# Altium PCB SectionD_v1.0.PcbDoc (continued)
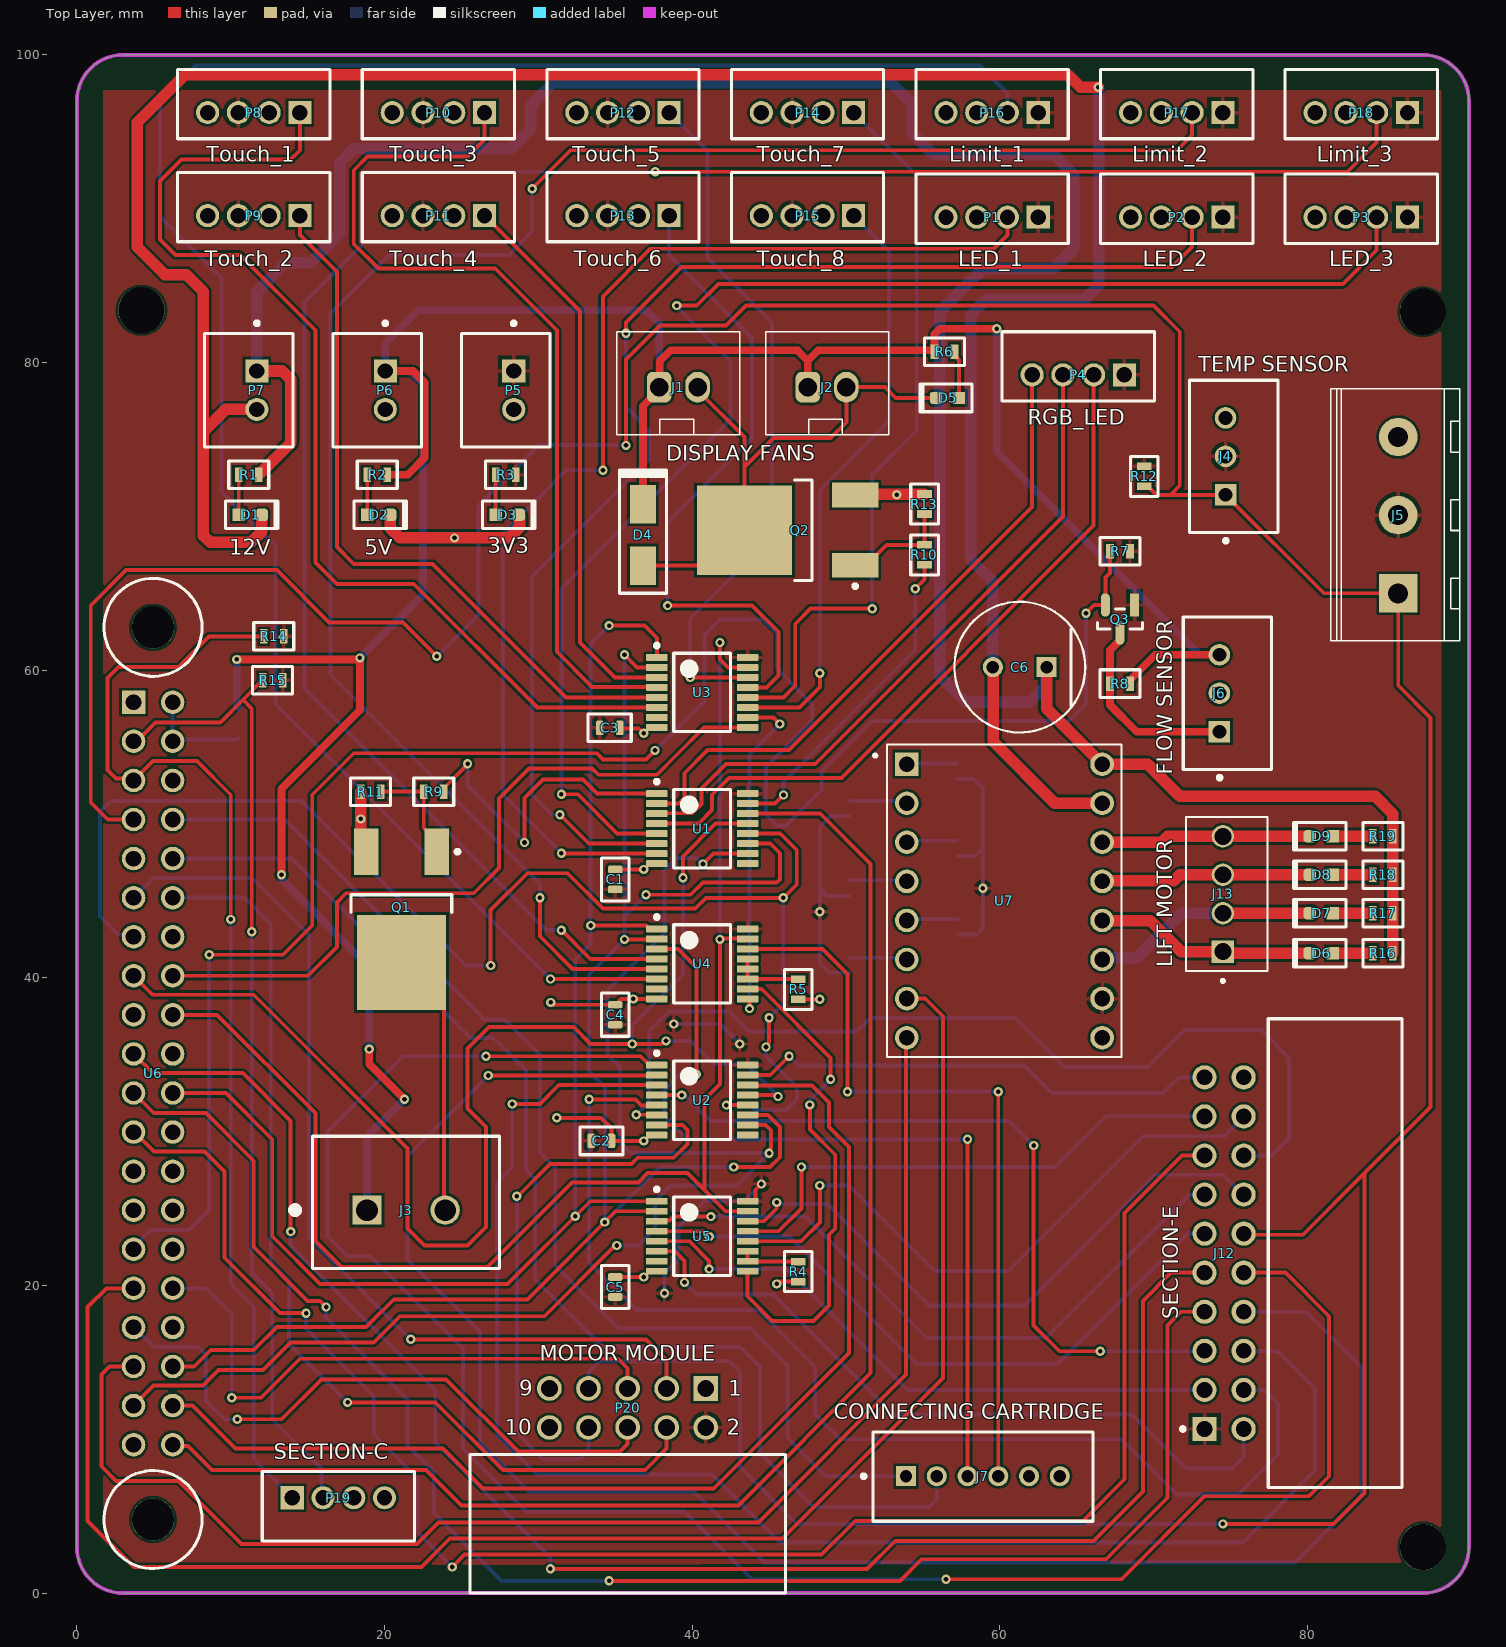
[diagram p0: Top Layer view]
## Part data (continued)
R7 R8: library part CRG0603F10K/10, "RES 10.0K OHM 1/10W 1% 0603", Case Code (Imperial)=0603, Manufacturer="TE Connectivity", Max Operating Temperature=125°C, Max Power Dissipation=100mW, Min Operating Temperature=-55°C, Number of Resistors=1, Package Quantity=10000, Resistance=10kR, Resistor Type="Thick Film", Supplier Part Number 1=A121523CT-ND, Temperature Coefficient=100ppm/°C, Tolerance=1%, Voltage Rating=50V, Case/Package=0603, Category="Chip SMD Resistors", ComponentLink1Description=https://datasheet.ciiva.com/2530/eng-cd-1622829-ba-2530062.pdf?src-supplier=Digi-Key, ComponentLink1URL=https://datasheet.ciiva.com/2530/eng-cd-1622829-ba-2530062.pdf?src-supplier=Digi-Key, Depth=0.8mm, ELV=Compliant, Height=0.022inch, Length=1.6mm, Manufacturer Part Number=CRG0603F10K/10, Military Standard=Not, Mount="Surface Mount", Number of Terminations=2, Packaging="Tape and Reel", Power Rating=100mW, Pricing 1="1=0.10000, 10=0.03100, 100=0.01270, 1000=0.00570, 2500=0.00494, 5000=0.00409 (USD)", Radiation Hardening=No, RoHS=Yes, Stock 1=172089, Supplier 1=Digi-Key, Termination=Solder, Weight=7.1E-05oz, Width=0.8mm
U1 U2: library part CMP-0780-00192-3, "8-Bit Shift Registers With 3-State Output Registers, PW0016A, LARGE T&R", F @ Nom Voltage(Max)(Mhz)=28, Generic Part Number=SN74HC595, ICC @ Nom Voltage(Max)(mA)=0.08, Manufacturer="Texas Instruments", Operating Temperature Range(C)="-40 to 85", Rating=Military, tpd @ Nom Voltage(Max)(ns)=34, Voltage(Nom)(V)=6, 3-State Output=Yes, Bits=8, Code_JEDEC=MO-153, DatasheetVersion=SCLS041H, Input Type=CMOS, Output Drive (IOL/IOH)(Max)(mA)=7.8/-7.8, Output Type=CMOS, PackageReference=PW0016A, PackageVersion=http://www.ti.com/lit/ml/mpds361/mpds361.pdf, Technology Family=HC, VCC(Max)(V)=6, VCC(Min)(V)=2
U3 U4 U5: library part CMP-0780-00188-3, "8-Bit Parallel-Load Shift Registers, PW0016A, LARGE T&R", F @ Nom Voltage(Max)(Mhz)=28, Generic Part Number=SN74HC165, ICC @ Nom Voltage(Max)(mA)=0.08, Manufacturer="Texas Instruments", Operating Temperature Range(C)="-40 to 125", Rating=Catalog, tpd @ Nom Voltage(Max)(ns)=38, Voltage(Nom)(V)=6, 3-State Output=No, Bits=4, Code_JEDEC=MO-153, DatasheetVersion=SCLS116G, Input Type=CMOS, Output Drive (IOL/IOH)(Max)(mA)=5.2/-5.2, Output Type=CMOS, PackageReference=PW0016A, PackageVersion=http://www.ti.com/lit/ml/mpds361/mpds361.pdf, Technology Family=HC, VCC(Max)(V)=6, VCC(Min)(V)=2
U6: "BCM2837B0 Raspberry Pi 3 Model B+ - ARMÂ® CortexÂ®-A53, VideoCore MPU Embedded Evaluation Board", Package="Raspberry Pi", Check_prices=https://www.snapeda.com/parts/RASPBERRY%20PI%203%20MODEL%20B+/Raspberry%20Pi/view-part/4299836/?ref=eda, Digi-Key_Part_Number=1690-1025-ND, MF="Raspberry Pi", MP="RASPBERRY PI 3 MODEL B+", SnapEDA_Link=https://www.snapeda.com/parts/RASPBERRY%20PI%203%20MODEL%20B+/Raspberry%20Pi/view-part/4299836/?ref=snap
U7: library part A4988_STEPPER_MOTOR_DRIVER_CARRIER, "Stepper Motor Driver", Package=None, Availability=Unavailable, MF=Pololu, MP="A4988 STEPPER MOTOR DRIVER CARRIER", Price=None, SnapEDA_Link=https://www.snapeda.com/parts/A4988%20STEPPER%20MOTOR%20DRIVER%20CARRIER/Pololu/view-part/1499394/?ref=snap

## Free pads (board coordinates)
  round 3 hole 3 unplated: ""(4.2,83.4) ""(87.5,3) ""(87.5,83.3)

## Via types
v1: diameter 0.6, hole 0.3, Top Layer to Bottom Layer, tented both sides, 110 vias

## Nets (pads, with @x,y where several pads share a name; then routed paths per layer and width w, separated by ;. In a path a pad name is that pad's centre, name@x,y a point inside that pad or via, vN(x,y) a via of type N, cw(c..) or ccw(c..) an arc to the next point about the centre after c; other vN are vias at no path point)
1A: D6.1 J13.1 U7.12 | length 14.4
  Top Layer w0.254: U7.12 U7.12@66.656,43.724 ; J13.1 J13.1@74.6,41.6
  Top Layer w0.75: U7.12@66.656,43.724 69.776,43.724 71.8,41.7 J13.1 ; J13.1@74.6,41.6 D6.1
1B: D7.1 J13.2 U7.11 | length 14.7
  Top Layer w0.75: J13.2 D7.1
  Bottom Layer w0.254: U7.11 U7.11@66.756,41.296
  Bottom Layer w0.75: U7.11@66.756,41.296 68.896,41.296 71.8,44.2 J13.2
2A: D8.1 J13.3 U7.13 | length 13.7
  Top Layer w0.75: U7.13@66.65,46.3 71.3,46.3 71.7,46.7 J13.3 D8.1
2B: D9.1 J13.4 U7.14 | length 13.7
  Top Layer w0.75: U7.14@66.65,48.8 70.5,48.8 70.9,49.2 J13.4 D9.1
+3V3: C1.2 C2.2 C3.2 C4.2 C5.2 J4.2 J5.2 J9.1 J10.1 J11.1 J12.1 J14.1 J15.1 J16.1 P1.1 P2.1 P3.1 P4.1 P5.1 P8.3 P9.3 P10.3 P11.3 P12.3 P13.3 P14.3 P15.3 P16.1 P17.1 P18.1 P20.2 Q3.1 R3.2 R7.2 R12.1 R14.2 R15.2 U1.16 U2.16 U3.16 U4.16 U5.16 U7.10 | length 47.9
  Top Layer w0.254: U5.16 44.026,25.475 44.124,25.573 44.124,26.224 v1(44.5,26.6)
  Bottom Layer w0.254: v1(38.2,19.5) 38.2,20.8 39.1,21.7 39.1,23.8 40.8,25.5 43.4,25.5 v1(44.5,26.6) ; v1(38.8,37) 41.8,37 v1(43.1,35.7) ; J11.1 48.9,40.327 48.3,40.927 48.3,45.827 ; J16.1 48.8,45.327 48.3,45.827 ; J14.1 49,50.527 48.3,49.827 48.3,45.827 ; J15.1 58.4,47.927 58.9,48.427 ; J9.1 58.3,52.927 58.9,52.327 58.9,48.427 ; J10.1 58.5,42.827 58.9,43.227 58.9,48.427
  other v1: 48.3,44.3 58.9,45.827
+5V: D4.2 J1.1 J2.1 J3.1 J6.3 J8.3 P6.1 R2.2 R6.2 R8.2 | length 181.7
  Top Layer w0.5: v1(10.4,60.7) 18.3,60.7 v1(18.4,60.8) 18.4,57.4 13.3,52.3 v1(13.3,46.7) ; v1(19,35.365) 19,34.4 v1(21.3,32.1) ; P6.1 21.85,79.45 22.6,78.7 22.6,73.8 21.5,72.7 R2.2@20.2,72.7 ; D4.2 36.8,77.15 37.85,78.2 J1.1 37.9,78.45 37.9,80.1 38.6,80.8 46.841,80.8 47.521,80.121 ; J2.1 47.521,80.121 ; v1(59.8,82.2) 56.1,82.2 55.75,81.85 R6.2 55.65,80.8 48.2,80.8 47.521,80.121 ; R8.2 68.462,59.351 68.585,59.474 70.111,61 J6.3
  Bottom Layer w0.5: v1(10.4,60.7) 10.4,57.7 J8.3 ; v1(13.3,46.7) 13.3,46.4 19,40.7 v1(19,35.365) ; v1(18.4,60.8) 22.5,64.9 22.5,78.6 21.65,79.45 P6.1 20.05,81.25 22.2,83.4 37,83.4 37.85,82.55 J1.1 ; J3.1 18.86,29.66 v1(21.3,32.1) ; v1(59.8,82.2) 59.8,74.2 73,61 J6.3
+12V: C6.1 P7.1 R1.2 R16.2 R17.2 R18.2 R19.2 U7.16 | length 165.6
  Top Layer w0.75: P7.1 13.35,79.45 13.9,78.9 13.9,74.775 R1.2@11.962,72.837 ; C6.1 63.05,57.49 U7.16 69.61,53.89 71.7,51.8 84.4,51.8 85.55,50.65 R19.2 R18.2 R17.2 R16.2
  Bottom Layer w0.75: P7.1 11.7,84.6 13.6,86.5 15.2,86.5 17.1,88.4 17.1,93 18,93.9 28.2,93.9 29.5,95.2 29.5,96.7 31,98.2 52.9,98.2 54.3,96.8 54.3,94.9 55.7,93.5 63.5,93.5 64.8,92.2 64.8,87.4 63.5,86.1 58.9,86.1 56.1,83.3 56.1,59.6 57.8,57.9 61.9,57.9 63,59 63,60.15 C6.1
BLUE: J12.16 U2.6 | length 61.8
  Top Layer w0.254: v1(36.365,31.1) 37.675,31.1 U2.6
  Bottom Layer w0.254: v1(36.365,31.1) 37.2,31.935 37.2,36.5 38.5,37.8 42.4,37.8 43.7,36.5 50.7,36.5 51.6,37.4 61,37.4 64.2,34.2 69.6,34.2 72,36.6 77,36.6 78.8,34.8 78.8,29.6 77.65,28.45 J12.16
BUZZER: R9.1 U1.1 | length 21.5
  Top Layer w0.254: R9.1 23.85,52.325 25.4,53.875 v1(25.4,53.919) ; v1(29.1,48.8) 29.1,51.7 30.3,52.9 32.9,52.9 33.825,51.975 U1.1
  Bottom Layer w0.254: v1(25.4,53.919) 25.4,52.5 v1(29.1,48.8)
CLK_EN: U3.15 U4.15 U5.15 U6.18 | length 93.5
  Top Layer w0.254: U6.18 9.108,37.592 15.5,31.2 15.5,22.9 17.2,21.2 26.7,21.2 32.2,26.7 36.5,26.7 37.1,27.3 39.7,27.3 40.76,26.24 ; v1(41.8,61.8) 41.8,60.7 42.325,60.175 U3.15 ; U5.15 42.175,24.825 40.76,26.24 ; U4.15 43.556,42.569 41.963,42.569 41.894,42.5 v1(41.8,42.5) 41.8,33.1 40.8,32.1 40.8,26.28 40.76,26.24
  Bottom Layer w0.254: v1(41.8,42.5) v1(41.8,61.8)
CLOCK: U1.11 U2.11 U3.2 U4.2 U5.2 U6.36 | length 111.1
  Top Layer w0.254: U6.36 7.632,14.732 8.7,15.8 11.5,15.8 13,17.3 18.8,17.3 20.6,19.1 29.3,19.1 35.025,24.825 U5.2 ; v1(35.6,42.5) 37.675,42.5 U4.2 ; v1(35.6,61) 36.425,60.175 U3.2 ; v1(37,45.4) 39.9,45.4 40.7,46.2 45.5,46.2 45.7,46.4 45.7,48.1 45.075,48.725 U1.11 ; v1(42.7,27.7) 45.063,27.7 45.7,28.337 45.7,30.3 44.925,31.075 U2.11
  Bottom Layer w0.254: v1(35.6,61) 35.6,44 ; v1(37,45.4) 35.6,44 ; v1(42.7,27.7) 37.9,27.7 v1(34.321,24.121) 34.321,32.868 ccw(c34.287,32.865) 34.311,32.889 33.3,33.9 33.3,40.2 v1(35.6,42.5) 35.6,44
"CONN M1": J7.1 U6.8 | length 75.6
  Bottom Layer w0.254: U6.8 13.508,50.292 26.5,37.3 27.8,37.3 30.1,35 30.1,28.65 31.1,27.65 31.1,21.3 35.2,17.2 43.8,17.2 46.2,14.8 46.2,10.1 48.7,7.6 J7.1
"CONN M2": J7.2 U6.10 | length 79.7
  Bottom Layer w0.254: U6.10 13.948,47.752 25.6,36.1 27.1,36.1 29.2,34 29.2,27.5 29.8,26.9 29.8,20.4 34.2,16 43.1,16 44.4,14.7 44.4,9.1 47.9,5.6 55.4,5.6 55.9,6.1 J7.2
"CONN SW1": J7.3 U4.3 | length 56.4
  Top Layer w0.254: U4.3 39.075,41.875 40.269,40.681 v1(40.269,33.735) ; J7.3 v1(57.9,29.5)
  Bottom Layer w0.254: v1(40.269,33.735) 39.234,33.735 38.2,32.701 38.2,31 39.7,29.5 v1(57.9,29.5)
"CONN SW2": J7.4 U4.14 | length 49.7
  Top Layer w0.254: U4.14 48.476,41.875 50.1,40.251 v1(50.1,32.6) ; J7.4 60,7.7 59.9,7.8 v1(59.9,32.6)
  Bottom Layer w0.254: v1(50.1,32.6) v1(59.9,32.6)
CONTAINER: J12.3 U5.5 | length 39.9
  Top Layer w0.254: U5.5 39.825,22.875 41.1,21.6 v1(41.1,21.065)
  Bottom Layer w0.254: v1(41.1,21.065) 46.135,21.065 53.99,13.21 J12.3
D_OUTPUT: U1.14 U6.40 | length 93
  Top Layer w0.254: U6.40 6.303,9.572 7.217,9.572 8.789,8 22.7,8 25,5.7 43,5.7 51.6,14.3 51.6,47.4 48.325,50.675 U1.14
DIRECTION: U6.35 U7.8 | length 89.1
  Top Layer w0.254: U6.35 2.132,14.732 1.6,14.2 1.6,8.249 2.549,7.3 6.6,7.3 10.7,3.2 22.1,3.2 23.5,4.6 44.3,4.6 53.9,14.2 U7.8@53.9,36.11
DISP_FAN: R10.1 U1.15 | length 21.3
  Top Layer w0.254: U1.15 45.376,51.325 v1(45.938,51.887) ; v1(54.5,65.3) 55.1,65.9 R10.1
  Bottom Layer w0.254: v1(45.938,51.887) 45.938,52.738 54.5,61.3 v1(54.5,65.3)
DROP: J12.7 U6.21 | length 103.6
  Top Layer w0.254: U6.21 4.995,31.2 8.4,31.2 11.5,28.1 11.5,22.5 15,19 15.8,19 v1(16.2,18.6) ; v1(34.6,0.8) 53.5,0.8 54.9,2.2 66.9,2.2 70.9,6.2 70.9,17.4 71.79,18.29 J12.7
  Bottom Layer w0.254: v1(16.2,18.6) 16.2,17.9 21.5,12.6 21.5,9.6 23.2,7.9 23.2,5.2 27.6,0.8 v1(34.6,0.8)
E_OUTPUT: U2.14 U6.38 | length 72.5
  Top Layer w0.254: U6.38 7.508,12.192 10.3,9.4 23.8,9.4 26.4,6.8 41.4,6.8 50.2,15.6 50.2,29 48.9,30.3 48.9,31.9 47.8,33 43.625,33 U2.14
ENABLE: J12.15 U6.23 | length 109.9
  Top Layer w0.254: U6.23 3.728,29.972 5,28.7 8.3,28.7 9.6,27.4 9.6,21.8 13.2,18.2 v1(14.9,18.2) ; v1(24.4,1.7) 25.2,2.5 48.4,2.5 50.6,4.7 65.4,4.7 68.1,7.4 68.1,24.7 71.85,28.45 J12.15
  Bottom Layer w0.254: v1(14.9,18.2) 14.9,17.2 19.3,12.8 19.3,10.3 22.1,7.5 22.1,4 v1(24.4,1.7)
EXTRA_1: J12.17 U5.13 | length 34.4
  Top Layer w0.254: U5.13 45.625,23.525 47.1,25 v1(47.1,27.7)
  Bottom Layer w0.254: v1(47.1,27.7) 63.6,27.7 66.9,31 73.3,31 J12.17
EXTRA_2: J12.18 U5.12 | length 41.6
  Top Layer w0.254: U5.12 47.075,22.875 48.3,24.1 v1(48.3,26.5)
  Bottom Layer w0.254: v1(48.3,26.5) 50.2,26.5 55.751,20.949 60.549,20.949 69.3,29.7 74.6,29.7 75.85,30.95 J12.18
FLOW: Q3.2 R7.1 U6.29 | length 126.8
  Top Layer w0.254: v1(8.6,41.5) 13.4,41.5 15.3,43.4 15.3,51.9 18,54.6 33.8,54.6 34.2,54.2 37,54.2 v1(37.586,54.786) ; v1(65.6,63.7) 66.136,64.236 Q3.2 66.862,66.03 67.162,66.33 R7.1
  Bottom Layer w0.254: U6.29 3.683,22.483 4.8,23.6 7.3,23.6 8.6,24.9 v1(8.6,41.5) ; v1(37.586,54.786) 40.8,58 40.8,62.3 41.8,63.3 44.6,63.3 45.5,62.4 45.5,60.1 47.8,57.8 47.8,56.7 44.8,53.7 44.8,50.6 45.5,49.9 46.1,49.9 48.4,52.2 48.4,53.4 51.7,56.7 64.5,56.7 65.6,57.8 v1(65.6,63.7)
GND: C1.1 C2.1 C3.1 C4.1 C5.1 D2.1 D3.1 J4.3 J5.3 J6.2 J7.6 J9.3 J10.3 J11.3 J12.20 J14.3 J15.3 J16.3 P1.4 P2.4 P3.4 P5.2 P6.2 P8.4 P9.4 P10.4 P11.4 P12.4 P13.4 P14.4 P15.4 P16.4 P17.4 P18.4 P19.4 P20.1 Q1.3 Q2.3 R4.1 R5.1 R11.2 R13.2 U1.8 U2.8 U3.8 U4.8 U5.8 U6.6 U6.9 U6.14 U6.20 U6.25 U6.30 U6.34 U6.39 U7.9 | length 45.4
  Top Layer w0.254: Q1.3@18.45,48.56 Q1.3 ; D3.1 D3.1@28.8,70.025 ; v1(30.8,38.4) 30.95,38.25 C4.1 35.377,38.627 v1(36.173,38.627) 37.653,38.627 37.676,38.649 U4.8 ; v1(31.2,30.9) 34.081,30.9 34.75,30.231 C2.1 v1(36.85,29.4) 37.225,29.775 U2.8 ; C5.1 v1(36.85,20.55) 37.225,20.925 U5.8 ; C1.1 v1(36.85,47.05) 37.225,47.425 U1.8 ; C3.1 35.362,56.25 35.412,56.2 36.528,56.2 36.828,55.9 v1(36.85,55.9) 37.225,56.275 U3.8 ; v1(45.5,20.1) 45.65,20.25 R4.1 ; R5.1 v1(48.3,38.6) ; Q2.3 Q2.3@50.66,71.45
  Top Layer w0.75: Q1.3@18.45,48.56 v1(18.45,50.33) R11.2 ; D2.1 20.375,69.225 21,68.6 v1(24.55,68.6) 28.1,68.6 28.8,69.3 D3.1@28.8,70.025 ; Q2.3@50.66,71.45 R13.2
  other v1: 53.3,71.4
GREEN: J12.5 U2.4 | length 49.4
  Top Layer w0.254: U2.4 v1(39.325,32.375) ; v1(62.2,29.1) 62.2,17.4 63.877,15.723 v1(66.523,15.723)
  Bottom Layer w0.254: v1(39.325,32.375) 39.525,32.375 41.2,30.7 60.6,30.7 v1(62.2,29.1) ; v1(66.523,15.723) 66.525,15.725 73.285,15.725 J12.5
LATCH_IN: U3.1 U4.1 U5.1 U6.22 | length 90.9
  Top Layer w0.254: U6.22 9.688,32.512 12.7,29.5 12.7,23.2 15.8,20.1 28,20.1 33.375,25.475 U5.1 ; v1(33.4,43.4) 37,43.4 37.225,43.175 U4.1 ; v1(34.6,62.9) 36.9,62.9 37.7,62.1 U3.1
  Bottom Layer w0.254: v1(32.4,24.5) 32.4,41.2 33.4,42.2 v1(33.4,43.4) 33.4,61.7 v1(34.6,62.9)
LATCH_OUT: U1.12 U2.12 U6.13 | length 92.4
  Top Layer w0.254: v1(26.9,40.8) 26.9,44.4 29.3,46.8 31.9,46.8 34.2,44.5 40.2,44.5 40.9,45.2 v1(45.923,45.2) 46.8,46.077 46.8,48.3 45.725,49.375 U1.12 ; v1(42.225,31.725) U2.12 ; v1(44.8,35.5) 44.8,35.594 45,35.794 v1(45,37.4)
  Bottom Layer w0.254: U6.13 3.556,42.799 2.701,42.799 1.5,44 1.5,50.8 2.2,51.5 14.6,51.5 25.3,40.8 v1(26.9,40.8) ; v1(42.225,31.725) 43.775,31.725 44.1,31.4 46.1,31.4 46.8,32.1 46.8,32.9 44.8,34.9 v1(44.8,35.5) ; v1(45,37.4) 45.923,38.323 v1(45.923,45.2)
LED_0: P1.2 U1.7 | length 77.2
  Top Layer w0.254: v1(31.5,48.1) 31.512,48.088 37.687,48.088 U1.7 ; v1(34.2,73) 34.2,84.3 37.3,87.4 59.619,87.4 60.5,88.281 P1.2
  Bottom Layer w0.254: v1(31.5,48.1) 27.7,51.9 27.7,68.9 31.8,73 v1(34.2,73)
LED_1: P2.2 U1.6 | length 84.7
  Top Layer w0.254: v1(31.4,50.6) 33.275,48.725 U1.6 ; v1(35.7,81.9) 35.7,82.6 39.3,86.2 71.2,86.2 72.5,87.5 P2.2
  Bottom Layer w0.254: v1(31.4,50.6) 30.9,50.6 29.6,51.9 29.6,66.1 37.2,73.7 37.2,75.6 35.7,77.1 v1(35.7,81.9)
LED_2: P3.2 U1.5 | length 94.2
  Top Layer w0.254: v1(31.5,51.935) 32.565,51.935 35.125,49.375 U1.5 ; v1(39,83.7) 40.3,83.7 41.7,85.1 82.3,85.1 84.5,87.3 P3.2
  Bottom Layer w0.254: v1(31.5,51.935) 31.5,65.3 42.5,76.3 42.5,80.1 39,83.6 v1(39,83.7)
LED_BLUE: P4.3 U1.3 | length 44.2
  Top Layer w0.254: U1.3 37.725,50.7 40,50.7 40.6,51.3 40.6,52.3 42.2,53.9 48,53.9 64.1,70 P4.3
LED_GREEN: P4.4 U1.2 | length 41.9
  Top Layer w0.254: U1.2 39.125,51.325 39.5,51.7 39.5,53.3 41,54.8 46.3,54.8 62.1,70.6 P4.4
LED_RED: P4.2 U1.4 | length 46.8
  Top Layer w0.254: U1.4 40.425,50.025 41.3,50.9 41.3,51.9 42.4,53 49.7,53 66.1,69.4 P4.2
LID: J12.2 U5.6 | length 47
  Top Layer w0.254: U5.6 38.875,22.225 39.5,21.6 v1(39.5,20.2)
  Bottom Layer w0.254: v1(39.5,20.2) 40.3,19.4 45.3,19.4 53.1,11.6 68.6,11.6 72.1,8.1 75.1,8.1 75.85,8.85 J12.2
LIFT: J12.9 U6.19 | length 105.9
  Top Layer w0.254: U6.19 4.935,33.8 10.8,33.8 13.9,30.7 v1(13.9,23.5) ; v1(30.784,1.578) 51.378,1.578 53.2,3.4 66.1,3.4 69.3,6.6 69.3,19 71.13,20.83 J12.9
  Bottom Layer w0.254: v1(13.9,23.5) 13.9,22.6 23.3,13.2 23.3,9.8 30.784,2.316 v1(30.784,1.578)
LIMIT_0: P16.2 U4.6 | length 132.6
  Top Layer w0.254: v1(30.79,39.925) 37.65,39.925 37.675,39.9 U4.6
  Bottom Layer w0.254: v1(30.79,39.925) 12.9,57.815 12.9,68.1 9.4,71.6 9.4,85.5 5.4,89.5 5.4,97 7.7,99.3 58.7,99.3 60.5,97.5 P16.2
LIMIT_1: P17.2 U4.5 | length 118.5
  Top Layer w0.254: v1(29.6,91.3) 32.1,93.8 71.523,93.8 72.5,94.777 P17.2 ; v1(30.1,45.2) 30.1,42.7 32.225,40.575 U4.5
  Bottom Layer w0.254: v1(29.6,91.3) 29.6,88.5 28.1,87 20.3,87 16.5,83.2 16.5,59.7 30.1,46.1 v1(30.1,45.2)
LIMIT_2: P18.2 U4.4 | length 133.9
  Top Layer w0.254: v1(31.5,43.1) 33.375,41.225 U4.4 ; v1(37.6,92.4) 82.6,92.4 84.5,94.3 P18.2
  Bottom Layer w0.254: v1(31.5,43.1) 30.5,43.1 14.8,58.8 14.8,83.9 18.5,87.6 18.5,92.1 18.8,92.4 v1(37.6,92.4)
MAIN_DIR: P20.3 U6.11 | length 61.6
  Top Layer w0.254: v1(21.7,16.5) 37,16.5 38.34,15.16 P20.3
  Bottom Layer w0.254: U6.11 4.971,46.5 11.4,46.5 15.1,42.8 15.1,23.1 v1(21.7,16.5)
MAIN_PWM: P20.4 U6.12 | length 64.8
  Top Layer w0.254: v1(17.6,12.4) 23.3,12.4 27.7,8 36.951,8 38.34,9.389 P20.4
  Bottom Layer w0.254: U6.12 10.888,45.212 12.6,43.5 12.6,21.5 13.8,20.3 13.8,16.2 v1(17.6,12.4) ; P20.4@38.3,10.725 P20.4
MOT_FAN: P20.8 U2.7 | length 38
  Top Layer w0.254: v1(28.6,25.8) 28.662,25.8 30.762,27.9 36.051,27.9 36.451,28.3 38.8,28.3 39.7,29.2 39.7,30.1 39.375,30.425 U2.7
  Bottom Layer w0.254: v1(28.6,25.8) 28.6,10.4 30.3,8.7 32.7,8.7 33.26,9.26 P20.8
NetD1_2: D1.2 R1.1 | length 2.6
  Top Layer w0.254: D1.2 R1.1
NetD2_2: D2.2 R2.1 | length 2.6
  Top Layer w0.254: D2.2 18.875,72.675 R2.1@18.9,72.7
NetD3_2: D3.2 R3.1 | length 2.6
  Top Layer w0.254: D3.2 R3.1
NetD4_1: D4.1 D5.1 J1.2 J2.2 Q2.4 | length 34.3
  Top Layer w0.254: D4.1 41.1,66.8 Q2.4 43.4,73.2 ; J1.2 40.35,78.2 43.4,75.15 43.4,73.2 ; D5.1 53.234,77.7 52.534,78.4 J2.2 50.021,76.121 49,75.1 45.3,75.1 43.4,73.2
NetD5_2: D5.2 R6.1 | length 3.1
  Top Layer w0.254: R6.1 57.05,80.475 57.35,80.175 D5.2
NetD6_2: D6.2 R16.1 | length 2.3
  Top Layer w0.75: D6.2 84,41.6
NetD7_2: D7.2 R17.1 | length 2.3
  Top Layer w0.75: D7.2 84,44.2
NetD8_2: D8.2 R18.1 | length 2.3
  Top Layer w0.75: D8.2 84,46.7
NetD9_2: D9.2 R19.1 | length 2.4
  Top Layer w0.75: D9.2 R19.1@84.1,49.2
NetJ3_2: J3.2 Q1.4 | length 17.3
  Top Layer w0.254: Q1.4 23.873,38.227 23.873,24.967 J3.2
NetJ6_1: J6.1 Q3.3 R8.1 | length 12.8
  Top Layer w0.254: Q3.3@67.812,61.942 Q3.3
  Top Layer w0.5: Q3.3@67.812,61.942 67.162,61.292 R8.1 67.162,57.738 68.9,56 J6.1
NetJ8_1: J8.1 U6.2 U6.4 | length 6.9
  Bottom Layer w0.254: U6.2 U6.4 6.337,55.486 10.386,55.486 J8.1
NetJ9_2: J9.2 U7.1 | length 3.1
  Bottom Layer w0.254: U7.1@54.051,53.927 J9.2
NetJ10_2: J10.2 U7.5 | length 3.3
  Bottom Layer w0.254: U7.5@54.005,43.822 J10.2@57.295,43.822
NetJ11_2: J11.2 U7.6 | length 3.8
  Bottom Layer w0.254: J11.2@50.225,41.302 U7.6@53.975,41.302
NetJ14_2: J14.2 U7.2 | length 3.7
  Bottom Layer w0.254: J14.2@50.245,51.482 U7.2@53.955,51.482
NetJ15_2: J15.2 U7.3 | length 3.2
  Bottom Layer w0.254: U7.3@54.015,48.912 J15.2@57.185,48.912
NetJ16_2: J16.2 U7.4 | length 3.8
  Bottom Layer w0.254: J16.2@50.215,46.342 U7.4@53.985,46.342
NetQ1_1: Q1.1 R9.2 R11.1 | length 7
  Top Layer w0.254: R11.1 R9.2 22.55,49.74 23.39,48.9 Q1.1
NetQ2_1: Q2.1 R10.2 R13.1 | length 7.1
  Top Layer w0.254: Q2.1 51.3,66.81 52.64,68.15 R10.2 R13.1
NetR4_2: R4.2 U5.10 U5.11 | length 4
  Top Layer w0.254: U5.11 U5.10 43.613,21.562 46.888,21.562 R4.2
NetR5_2: R5.2 U4.11 U4.12 U4.13 | length 4.6
  Top Layer w0.254: U4.13 U4.12 U4.11 43.613,39.912 46.888,39.912 R5.2
PGND: C6.2 D1.1 P7.2 U7.15 | length 162.1
  Top Layer w0.75: P7.2 11.692,76.958 9.675,76.958 8.225,75.508 ; D1.1 12.025,69.008 11.325,68.308 8.664,68.308 8.225,68.747 8.225,75.508 ; C6.2 59.575,60.175 59.575,55.358 63.575,51.358 66.642,51.358 U7.15 ; v1(66.4,97.9) 66.392,97.908 65.225,97.908 64.425,98.708 7.025,98.708 3.925,95.608 3.925,87.508 5.725,85.708 7.125,85.708 8.225,84.608 8.225,75.508
  Bottom Layer w0.75: C6.2 59.55,65.75 58.1,67.2 58.1,83.083 59.125,84.108 65.525,84.108 66.425,85.008 66.425,97.875 v1(66.4,97.9)
PUMP_1: J12.6 U2.3 | length 100.8
  Top Layer w0.254: v1(28.3,31.8) 30.1,31.8 31.325,33.025 U2.3
  Bottom Layer w0.254: v1(28.3,31.8) 28.3,27.7 27.3,26.7 27.3,10.3 29.9,7.7 41.3,7.7 45.7,3.3 75.8,3.3 80.5,8 80.5,13.3 78.05,15.75 J12.6
PUMP_2: J12.8 U2.2 | length 118.8
  Top Layer w0.254: v1(26.75,33.65) 26.762,33.663 37.688,33.663 U2.2
  Bottom Layer w0.254: v1(26.75,33.65) 21.5,28.4 21.5,21.7 26.2,17 26.2,9.8 29.4,6.6 40.1,6.6 44.7,2 79.2,2 83.5,6.3 83.5,14.7 79.91,18.29 J12.8
PUMP_3: J12.10 U2.1 | length 128.5
  Top Layer w0.254: v1(26.6,34.9) 36.65,34.9 37.225,34.325 U2.1 ; v1(56.5,0.9) 67.9,0.9 73.3,6.3 80.1,6.3 81.4,7.6 81.4,18 78.57,20.83 J12.10
  Bottom Layer w0.254: v1(26.6,34.9) 21.2,34.9 16.3,30 16.3,23.2 17.6,21.9 19.1,21.9 25.1,15.9 25.1,9.4 29.2,5.3 39.5,5.3 43.9,0.9 v1(56.5,0.9)
PUMP_4: J12.19 U2.15 | length 31.6
  Top Layer w0.254: U2.15 45.075,33.675 v1(46.3,34.9)
  Bottom Layer w0.254: v1(46.3,34.9) 46.9,34.3 61.6,34.3 63.4,32.5 70.6,32.5 71.63,33.53 J12.19
RED: J12.4 U2.5 | length 75
  Top Layer w0.254: v1(33.3,32.1) 36.328,32.1 36.715,31.712 37.688,31.712 U2.5
  Bottom Layer w0.254: v1(33.3,32.1) 33.3,21.5 36.4,18.4 44.3,18.4 48,14.7 48,11.6 49.6,10 67.9,10 71.5,6.4 75.5,6.4 78.1,9 78.1,12.3 77.19,13.21 J12.4
RPM_A: P20.5 U6.32 | length 38.3
  Top Layer w0.254: v1(10.065,12.7) 11.965,12.7 14.5,15.235 35.181,15.235 35.8,14.616 P20.5
  Bottom Layer w0.254: U6.32 8.388,19.812 10.065,18.135 v1(10.065,12.7)
RPM_B: P20.6 U6.33 | length 40.7
  Top Layer w0.254: U6.33@3.655,17.3 U6.33 ; v1(10.418,11.3) 13.3,11.3 15.9,13.9 24,13.9 28.7,9.2 35.3,9.2 35.8,9.7 P20.6
  Bottom Layer w0.254: U6.33 3.728,17.272 5,16 7.9,16 8.4,15.5 8.4,12.5 9.6,11.3 v1(10.418,11.3)
SCL: P19.1 R14.1 U6.5 | length 74.2
  Top Layer w0.254: v1(10,43.8) 10,51.9 7.8,54.1 4.951,54.1 3.811,52.96 2.54,52.96 2,53.5 2,59.5 2.7,60.2 6.6,60.2 8.6,62.2 R14.1
  Bottom Layer w0.254: v1(10,43.8) 10,20.1 11.5,18.6 11.5,8.7 P19.1
SDA: P19.2 R15.1 U6.3 | length 64.1
  Top Layer w0.254: U6.3 3.872,55.372 5.1,56.6 9.323,56.6 10.8,58.077 ; v1(11.365,43) 11.365,57.512 10.8,58.077 ; R15.1 10.8,58.077
  Bottom Layer w0.254: v1(11.365,43) 11.365,20.835 12.7,19.5 12.7,11.3 15.9,8.1 15.9,6.3 P19.2
SERIAL_IN: U3.9 U6.16 | length 48.7
  Top Layer w0.254: U6.16 15.032,40.132 16.9,42 16.9,44.9 17.5,45.5 25.8,45.5 27.45,47.15 27.45,51.65 29.4,53.6 33.5,53.6 33.9,53.2 37.7,53.2 39,54.5 40.775,56.275 U3.9
SERIAL_IN1: U3.10 U4.9 | length 22.3
  Top Layer w0.254: U4.9 43.627,38.625 43.725,38.527 v1(43.725,38) ; U3.10 45.275,56.925 v1(45.7,56.5)
  Bottom Layer w0.254: v1(43.725,38) 43.725,54.525 v1(45.7,56.5)
SERIAL_IN2: U4.10 U5.9 | length 32.8
  Top Layer w0.254: U5.9 43.6,19.3 45.2,17.7 47.9,17.7 48.9,18.7 48.9,23.3 49.3,23.7 49.3,28.5 47.65,30.15 v1(47.65,31.74) ; U4.10 44.525,39.275 49,34.8 v1(49,33.4)
  Bottom Layer w0.254: v1(47.65,31.74) 47.65,32.05 v1(49,33.4)
SR_OE: U1.13 U2.13 U6.15 | length 89.3
  Top Layer w0.254: U6.15 4.915,38.9 11.5,38.9 21.5,28.9 21.5,23.7 22.6,22.6 25.4,22.6 26.6,23.8 26.6,30.3 25.4,31.5 25.4,35.4 26.8,36.8 32.3,36.8 33.4,35.7 38,35.7 38.2,35.9 v1(38.3,35.9) ; v1(39.4,46.5) 39.4,47.9 41.525,50.025 U1.13 ; U2.13 45.49,32.375 v1(45.577,32.287)
  Bottom Layer w0.254: v1(36.1,35.7) 36.1,36.9 39.4,40.2 v1(39.4,46.5) ; v1(38.3,35.9) 39.9,35.9 41.4,34.4 43.5,34.4 45.577,32.323 v1(45.577,32.287)
SR_RESET: U1.10 U2.10 U6.37 | length 88.2
  Top Layer w0.254: U6.37 4.991,13.5 8.2,13.5 9.2,14.5 12.1,14.5 13.9,16.3 19.3,16.3 21,18 30.4,18 34.827,22.427 34.833,22.427 35.006,22.6 v1(35.1,22.6) ; v1(40.7,47.4) 41.375,48.075 U1.10 ; U2.10 44.775,30.425 45.112,30.088 45.112,28.922 45.066,28.876 45.066,28.666 v1(45,28.6)
  Bottom Layer w0.254: U6.37@3.631,12.14 U6.37 ; v1(35.1,22.6) 36.5,22.6 37.6,23.7 37.6,25.5 38.6,26.5 42.9,26.5 v1(45,28.6) 36,28.6 35.3,29.3 35.3,34.2 34.5,35 34.5,39.2 38.2,42.9 38.2,47 39,47.8 40.3,47.8 v1(40.7,47.4)
STEP: U6.31 U7.7 | length 105.7
  Top Layer w0.254: U6.31 1.912,19.812 0.7,18.6 0.7,4.7 3.7,1.7 22.4,1.7 24.241,3.541 45.859,3.541 56.3,13.982 56.3,37.5 55.15,38.65 U7.7
SW_1: J12.11 U5.4 | length 42.7
  Top Layer w0.254: U5.4 40.725,23.525 41.072,23.178 v1(41.116,23.178)
  Bottom Layer w0.254: v1(41.116,23.178) 46.322,23.178 54.6,14.9 63.763,14.9 72.233,23.37 J12.11
SW_2: J12.13 U5.3 | length 42.9
  Top Layer w0.254: U5.3@37.7,24.16 37.759,24.219 38.529,24.219 38.788,24.478 v1(41.216,24.478)
  Bottom Layer w0.254: v1(41.216,24.478) 47.369,24.478 55.247,16.6 63,16.6 72.293,25.893 73.293,25.893 J12.13
SW_3: J12.14 U5.14 | length 39.8
  Top Layer w0.254: U5.14 44.676,24.175 45.5,24.999 v1(45.5,25.4)
  Bottom Layer w0.254: v1(45.5,25.4) 45.566,25.334 45.788,25.334 45.822,25.3 48.8,25.3 55.4,18.7 61.6,18.7 70.1,27.2 74.5,27.2 75.79,25.91 J12.14
TEMP: J4.1 J5.1 J12.12 P20.7 R12.2 U6.7 | length 269.3
  Top Layer w0.254: U6.7 2.008,50.292 0.9,51.4 0.9,64.2 3.2,66.5 13,66.5 16.4,63.1 21.2,63.1 v1(23.4,60.9) ; v1(35.7,74.613) 35.7,80.2 37.9,82.4 42.2,82.4 43.5,83.7 70,83.7 71.7,82 71.7,72 71.1,71.4 ; R12.2 69.625,71.95 70.175,71.4 71.1,71.4 ; v1(74.5,4.5) 81.7,4.5 83.7,6.5 83.7,27.3 ; J12.12 75.92,23.3 79.7,23.3 83.7,27.3 ; 71.1,71.4 J4.1 81.075,65 J5.1 85.9,59 88,56.9 88,31.6 83.7,27.3
  Bottom Layer w0.254: v1(23.4,60.9) 26.1,63.6 26.1,70.7 30.05,74.65 35.663,74.65 v1(35.7,74.613) ; P20.7 33.26,14.368 33.992,15.1 42.4,15.1 43.1,14.4 43.1,8.2 46.8,4.5 v1(74.5,4.5)
TOUCH_0: P8.1 U3.6 | length 69.9
  Top Layer w0.254: P8.1 14.5,93.8 13.9,93.2 6.8,93.2 5.4,91.8 5.4,88 6.4,87 10.6,87 15.5,82.1 15.5,67 16.9,65.6 21.9,65.6 29.9,57.6 29.9,57.575 U3.6
TOUCH_1: P9.1 U3.5 | length 47.4
  Top Layer w0.254: P9.1 14.5,88.3 16.9,85.9 16.9,68 18,66.9 23.125,66.9 31.8,58.225 U3.5
TOUCH_2: P10.1 U3.4 | length 59.8
  Top Layer w0.254: P10.1 26.5,94.5 25.4,93.4 18.9,93.4 18,92.5 18,87.7 19.6,86.1 27.2,86.1 31.2,82.1 31.2,61.2 33.5,58.9 37.675,58.9 U3.4
TOUCH_3: P11.1 U3.3 | length 36.3
  Top Layer w0.254: P11.1 32.7,83.35 32.7,61.8 34.975,59.525 U3.3
TOUCH_4: P12.1 U3.14 | length 45.4
  Top Layer w0.254: v1(39.875,59.525) U3.14
  Bottom Layer w0.254: P12.1 41,93.75 41,86.8 45.2,82.6 45.2,68.7 39.875,63.375 v1(39.875,59.525)
TOUCH_5: P13.1 U3.13 | length 42.9
  Top Layer w0.254: v1(38.4,64.2) 43.9,64.2 45.6,62.5 45.6,59.652 44.823,58.875 U3.13
  Bottom Layer w0.254: v1(38.4,64.2) 38.4,69.6 43.9,75.1 43.9,81.6 38.5,87 P13.1
TOUCH_6: P14.1 U3.12 | length 48
  Top Layer w0.254: U3.12 45.925,58.225 46.7,59 46.7,63 47.7,64 v1(51.7,64)
  Bottom Layer w0.254: P14.1 54.6,92.15 54.6,75.6 51.7,72.7 v1(51.7,64)
TOUCH_7: P15.1 U3.11 | length 38.7
  Top Layer w0.254: U3.11 46.975,57.575 48.3,58.9 v1(48.3,59.8)
  Bottom Layer w0.254: v1(48.3,59.8) 48.3,71.7 52.8,76.2 52.8,87.25 P15.1
pads on no net: J7.5 J8.2 P1.3 P2.3 P3.3 P8.2 P9.2 P10.2 P11.2 P12.2 P13.2 P14.2 P15.2 P16.3 P17.3 P18.3 P19.3 P20.9 P20.10 U1.9 U2.9 U3.7 U4.7 U5.7 U6.1 U6.17 U6.24 U6.26 U6.27 U6.28 U6.S1 U6.S2

## Polygon pours and split planes (outlines as drawn)
+3V3 on Top Layer "+3V3_L01_P002" (solid, pour order 2): 88.7,1.979 88.7,97.7 1.7,97.7 1.7,1.783
no net on Top Layer "NONET_L01_P000" (solid, pour order 0): 87.1,3
GND on Bottom Layer "GND_L02_P001" (solid, pour order 1): 88.7,1.96 88.7,97.621 1.7,97.621 1.7,1.764

## Keep-outs
Keep-Out Layer:
  the board outline again, w0.254

## Silkscreen, mask and mechanical layers (free items; w line width, h text height)
Top Overlay:
  text "Touch_1" at 8.4,93.067 h1
  text "Touch_3" at 20.3,93.067 h1
  text "Touch_5" at 32.2,93.067 h1
  text "Touch_7" at 44.2,93.067 h1
  text "Limit_1" at 56.7,93.067 h1
  text "Limit_2" at 68.6,93.067 h1
  text "Limit_3" at 80.6,93.067 h1
  text "Touch_2" at 8.3,86.267 h1
  text "Touch_4" at 20.3,86.267 h1
  text "Touch_6" at 32.3,86.267 h1
  text "Touch_8" at 44.2,86.267 h1
  text "LED_1" at 57.3,86.267 h1
  text "LED_2" at 69.3,86.267 h1
  text "LED_3" at 81.4,86.267 h1
  text "TEMP SENSOR" at 72.9,79.4 h1
  text "RGB_LED" at 61.8,75.967 h1
  text "DISPLAY FANS" at 38.3,73.6 h1
  text "3V3" at 26.7,67.6 h1
  text "12V" at 9.9,67.5 h1
  text "5V" at 18.7,67.5 h1
  text "FLOW SENSOR" at 71.2,53.2 h1 r90
  text "LIFT MOTOR" at 71.2,40.7 h1 r90
  text "SECTION-E" at 71.6,17.8 h1 r90
  text "MOTOR MODULE" at 30.1,15.1 h1
  text "CONNECTING CARTRIDGE" at 49.2,11.3 h1
  text "SECTION-C" at 12.8,8.7 h1
Bottom Overlay:
  drawing of 9 lines, arcs and shapes, not listed
  text "SECTION D" at 63.6,68.8 h4
  text "v1.0" at 29.3,64.8 h2.5
  text "3V3" at 61.866,52.4 h1
  text "3V3" at 48.366,50.1 h1
  text "3V3" at 61.866,47.6 h1
  text "3V3" at 48.366,44.8 h1
  text "3V3" at 61.866,42.5 h1
  text "3V3" at 48.366,39.9 h1
  text "SMART BATTER" at 79.2,12 h4 r270
  text "Originator: Pranav" at 27.4,2.422 h2

## Text inside footprints (layer, text, board x,y; h text height)
P20: Top Overlay "9" at 28.76,12.84 h1.02; Top Overlay "10" at 27.8,10.3 h1.02; Top Overlay "2" at 42.24,10.3 h1.02; Top Overlay "1" at 42.34,12.84 h1.02